# Altium PCB PCB.PcbDoc
Units mm, origin at the board's own origin, x right, y up, seen from the top; angles counter-clockwise.
Board outline 71.25 x 37 mm, 4 copper layers (Top Layer, Int1 (GND), Int2 (PWR), Bottom Layer), stack 1.586 mm thick; 95 components, 51 nets, 306 pads, 360 vias.
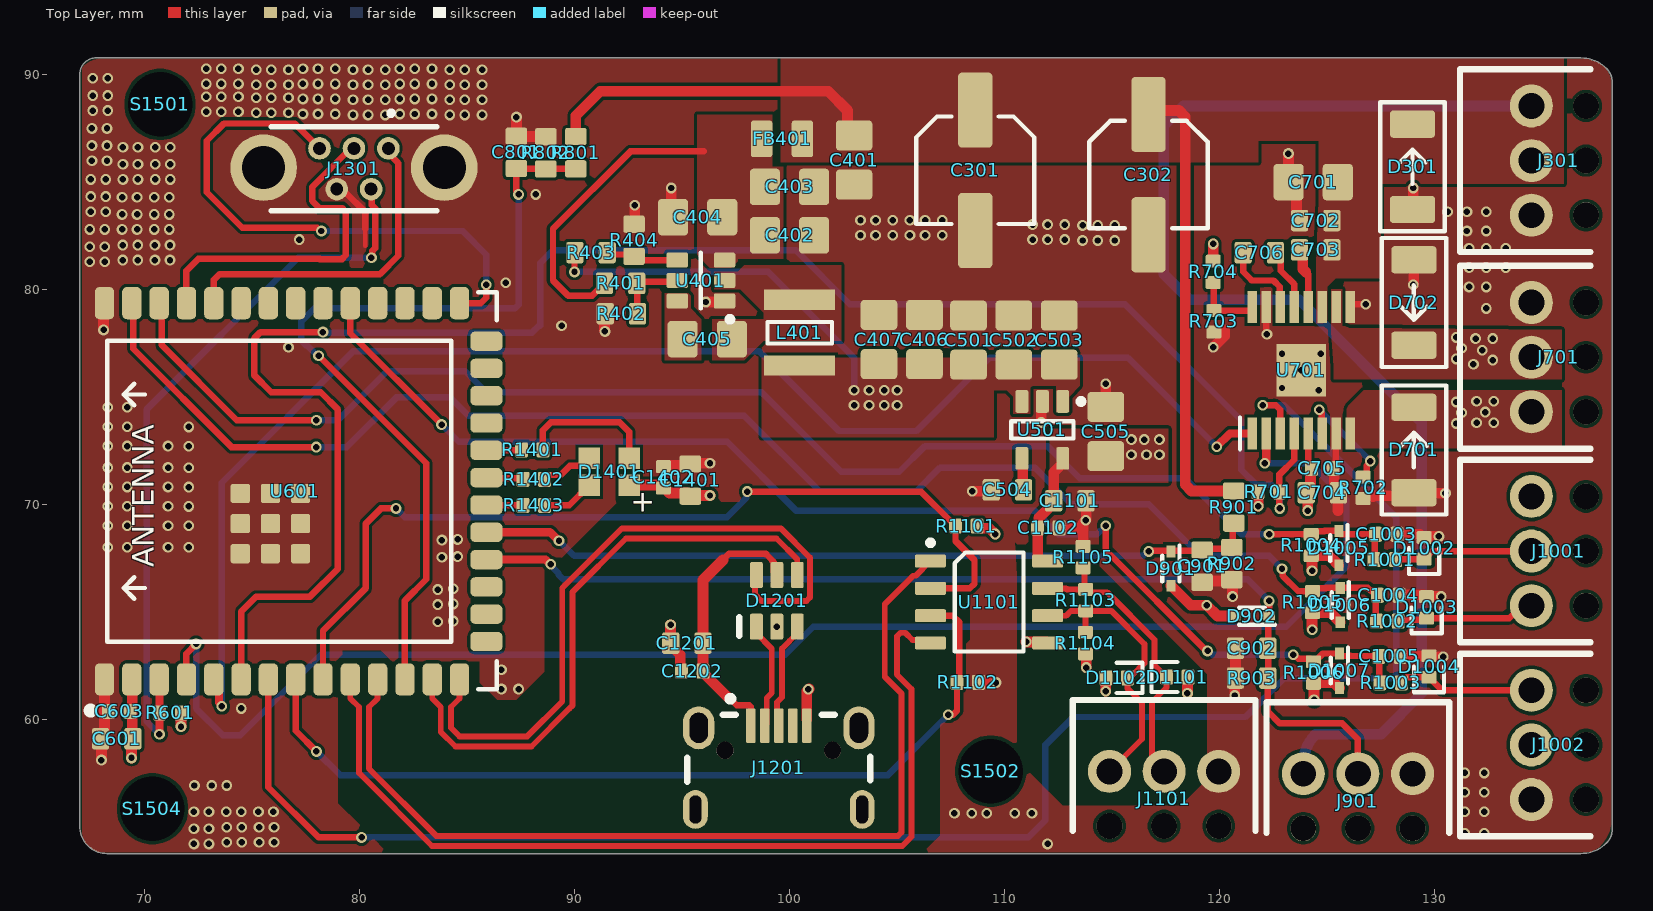
[diagram p0: Top Layer view]
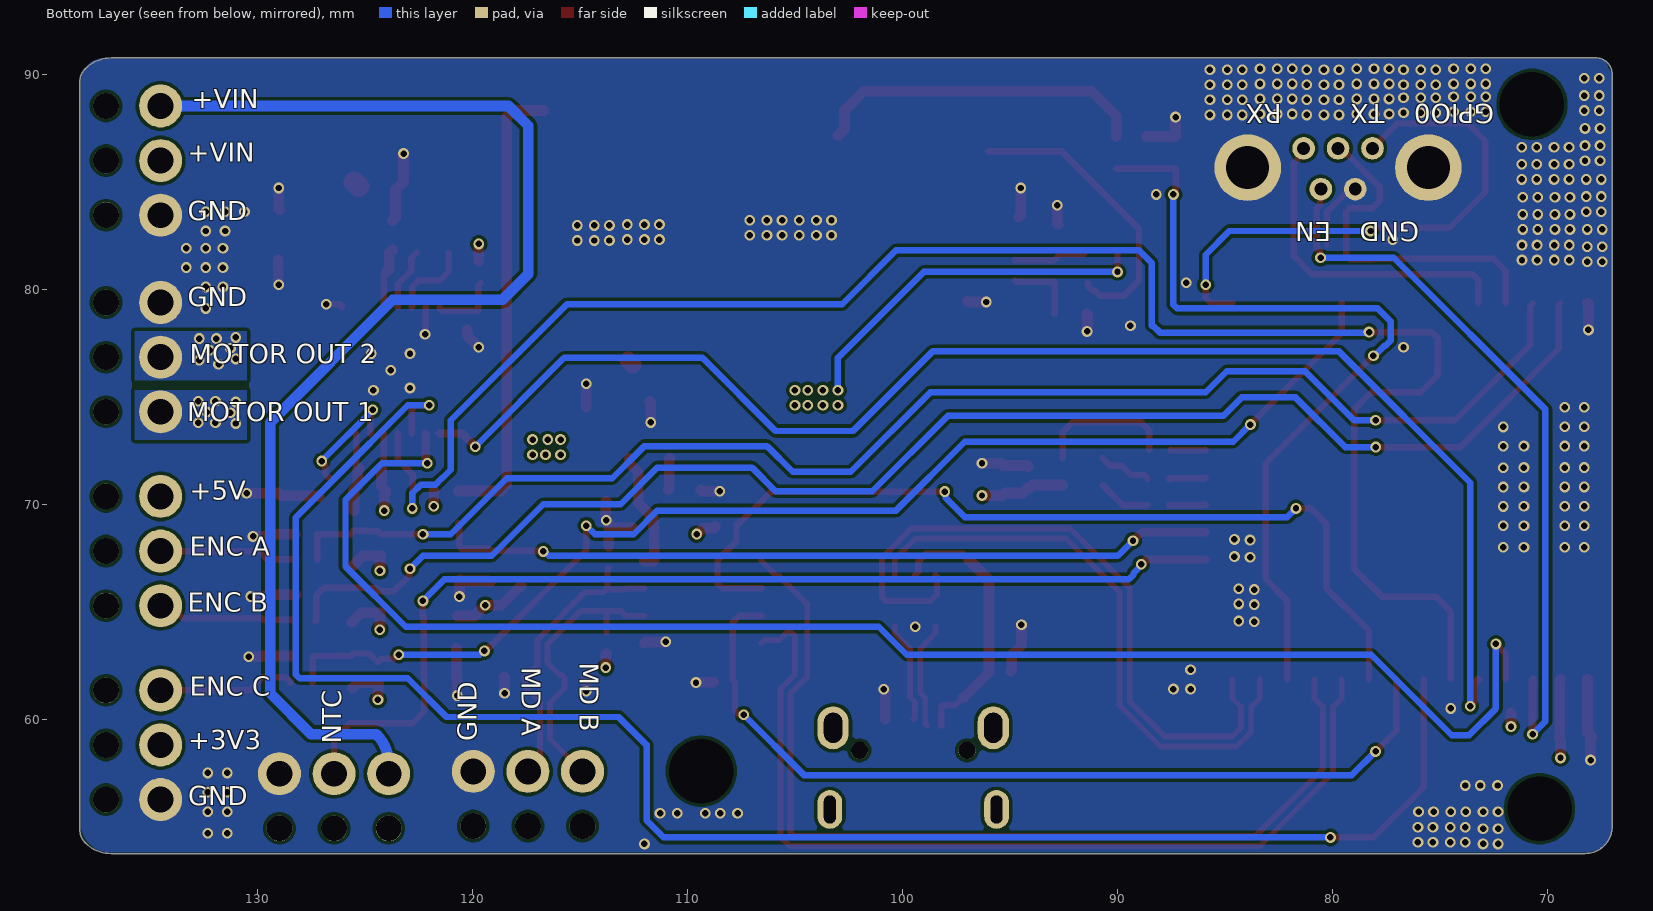
[diagram p1: Bottom Layer view, seen from below]
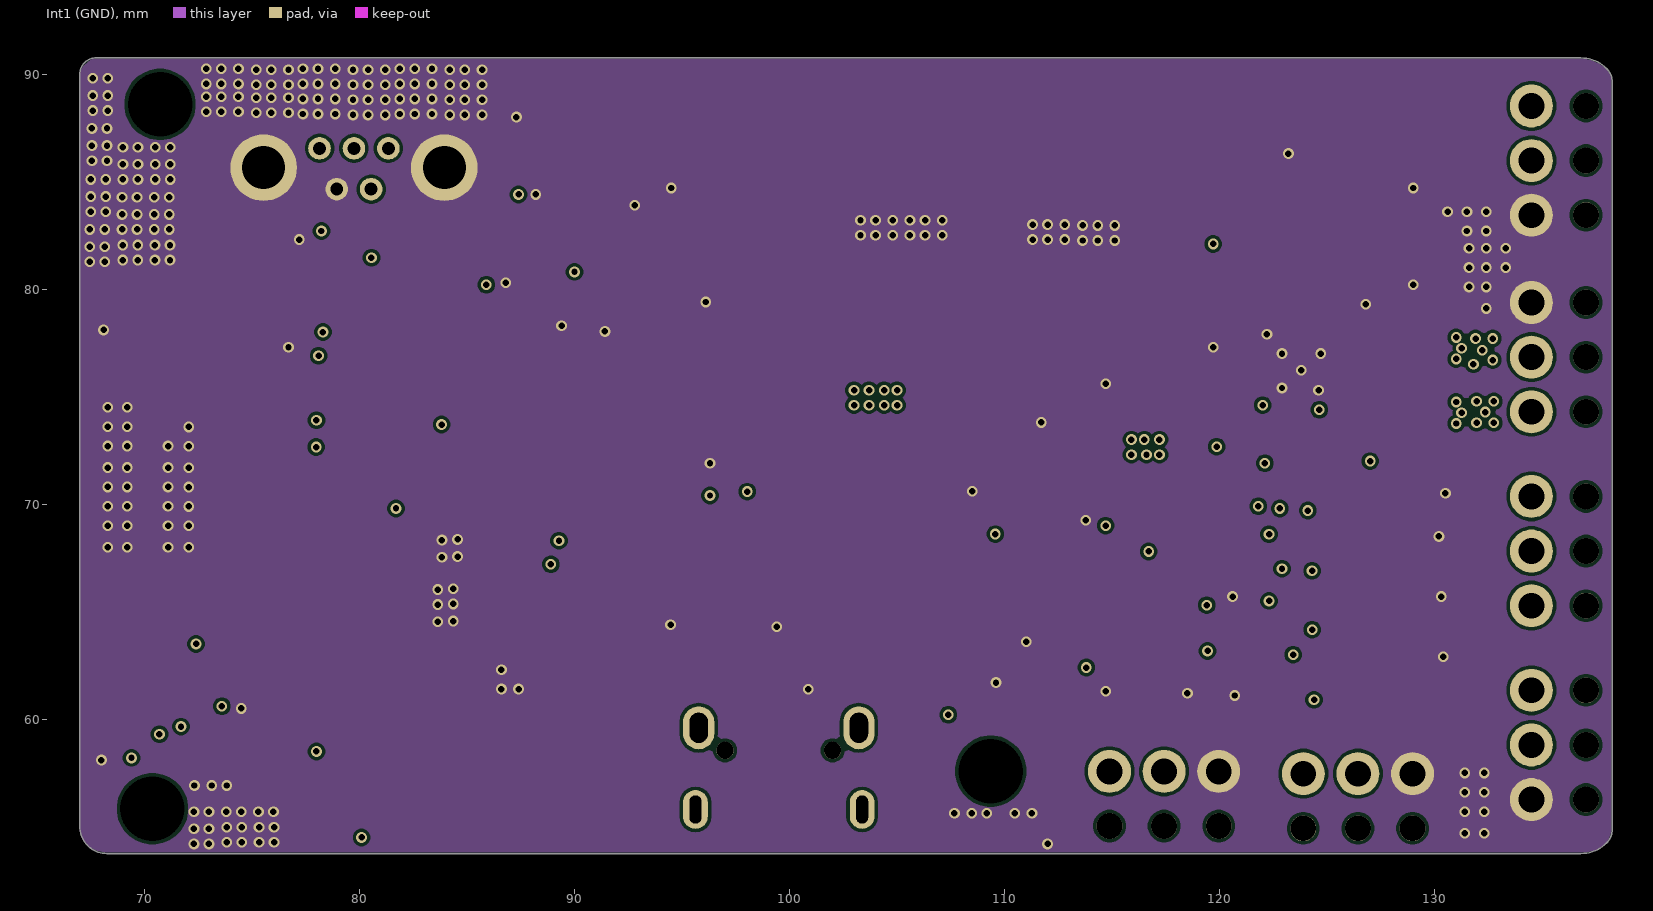
[diagram p2: Int1 (GND)]
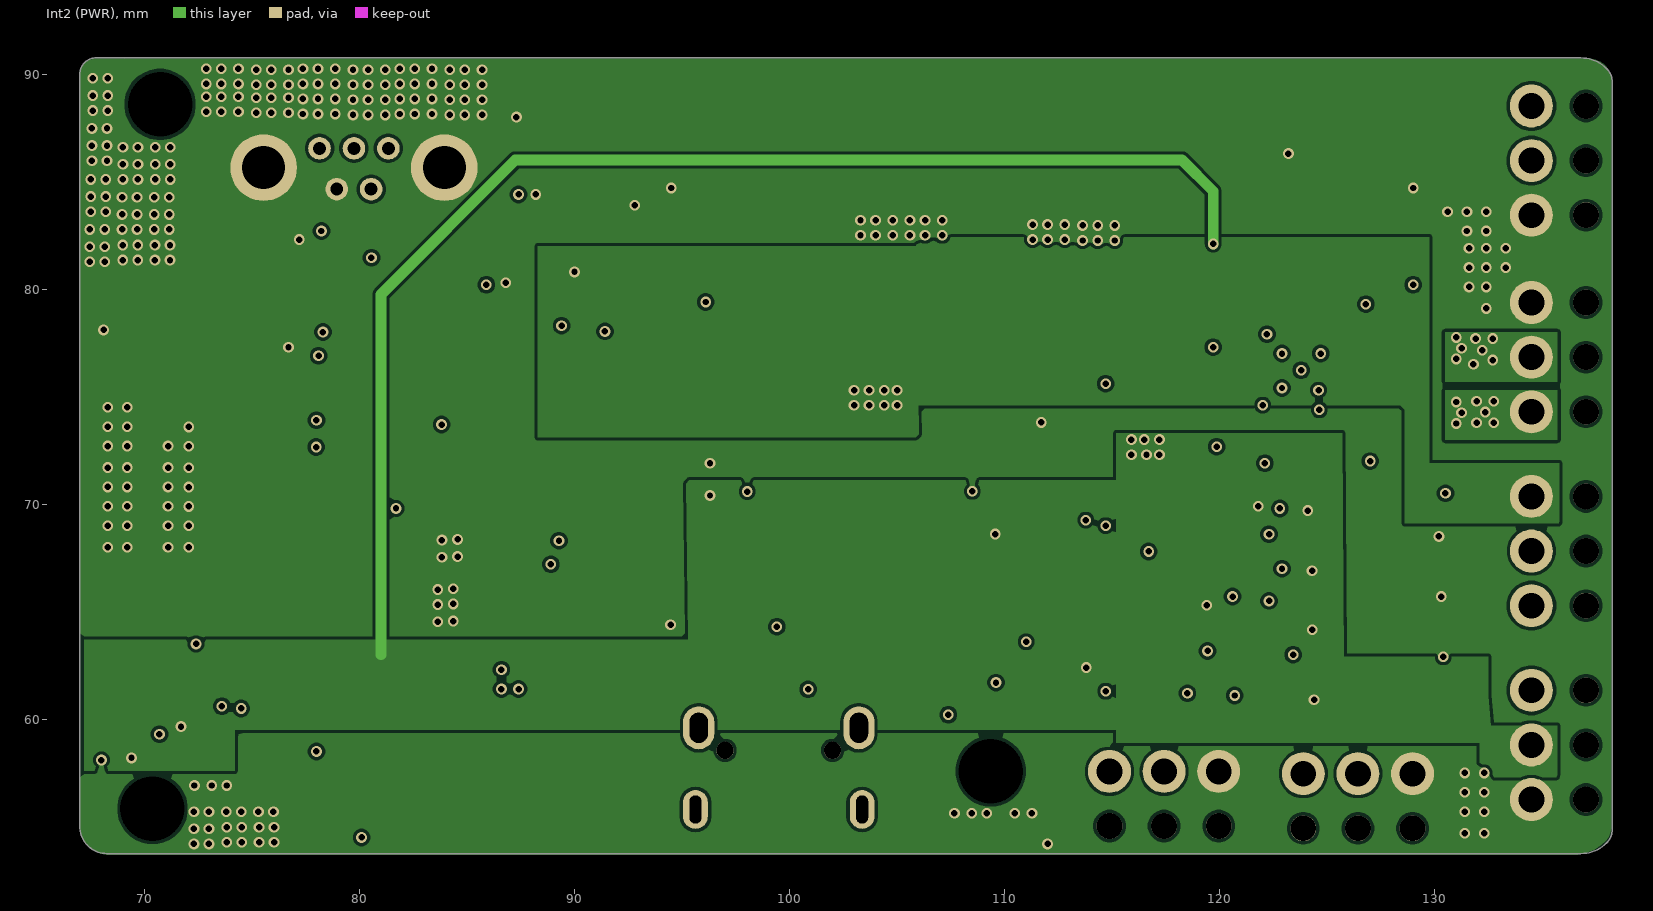
[diagram p3: Int2 (PWR)]
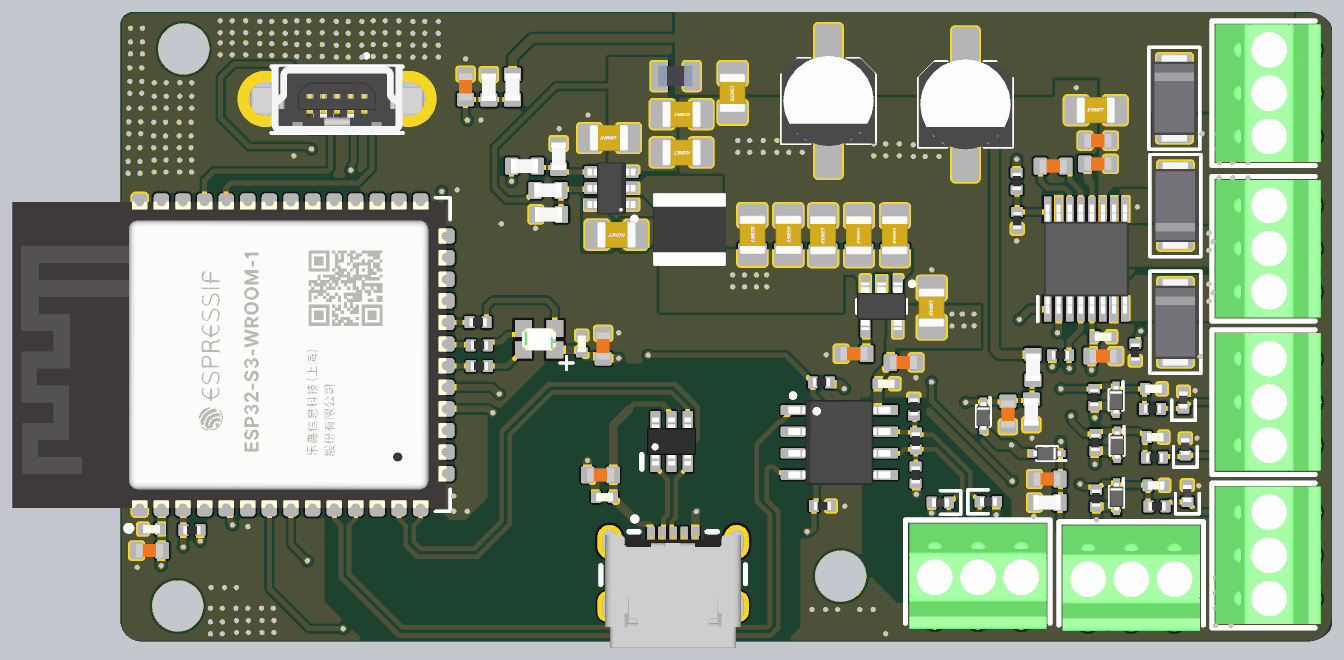
[diagram p4: 3D render of the assembled board from above, using the file's embedded part models]

## Layer stack, top to bottom
Top Solder: solder mask 0.0254, SM-001, Dk 4
Top Layer: signal copper 0.035
Dielectric 2: prepreg 0.2104, PP-017, Dk 4.6
Int1 (GND): signal copper 0.0152
Dielectric 3: core 1.065, Core-039, Dk 4.6
Int2 (PWR): signal copper 0.0152
Dielectric 4: prepreg 0.2104, PP-017, Dk 4.6
Bottom Layer: signal copper 0.035
Bottom Solder: solder mask 0.0254, SM-001, Dk 4

## Board outline
67,55 67,90 cw(c67.75,90) 67.75,90.75 136.793,90.75 cw(c136.793,89.043) 138,90.25 cw(c137.396,89.646) 138.25,89.646 138.25,54.854 cw(c137.396,54.854) 138,54.25 cw(c136.793,55.457) 136.793,53.75 68.25,53.75 cw(c68.25,55)

## Design rules (kind name [scope] priority, off if disabled: settings)
Clearance [All] p1: gap=0.15 ignorepadtopadclearanceinfootprint=FALSE
DiffPairsRouting [All] p1: maxlimit=0.254 minlimit=0.203 mostfreqgap=0.254 toplayer_maxgap=0.203 toplayer_prefgap=0.203 toplayer_minwidth=0.271 toplayer_maxwidth=0.271 toplayer_prefwidth=0.271 bottomlayer_maxgap=0.203 bottomlayer_prefgap=0.203 bottomlayer_minwidth=0.271 bottomlayer_maxwidth=0.271 bottomlayer_prefwidth=0.271 impedanceprofiledriven=TRUE impedanceprofileid={B2E4E460-0221-495D-B7F0-4A3CD8AB22ED} impedanceprofilevalue=90.000000 maxuncoupledlength=12.7
PolygonConnect [All] p1: connectstyle=Direct reliefconductorwidth=0.254 reliefentries=4 polygonreliefangle="90 Angle" airgapwidth=0.254
RoutingVias [All] p1: holewidth=0.711 width=1.27 viastyle="Through Hole" minholewidth=0.711 minwidth=1.27 maxholewidth=0.711 maxwidth=1.27
SolderMaskExpansion [All] p1: expansion=0.102 istentingtop=FALSE
SupplyNets "Schematic Supply Nets_5" [InNet('GND')] p1: voltage=0.000
SupplyNets "Schematic Supply Nets_4" [InNet('+5V_USB')] p2: voltage=0.000
SupplyNets "Schematic Supply Nets_3" [InNet('+VIN_FILT')] p3: voltage=0.000
SupplyNets "Schematic Supply Nets_2" [InNet('+VIN')] p4: voltage=0.000
SupplyNets "Schematic Supply Nets_1" [InNet('+3V3')] p5: voltage=0.000
SupplyNets "Schematic Supply Nets" [InNet('+5V')] p6: voltage=0.000
Width [All] p1: maxlimit=1 minlimit=0.2 preferedwidth=0.3
29 further rules are at their usual default settings.

## Classes and differential pairs
component class "User - User Led's": C1401 C1402 D1401 R1401 R1402 R1403
component class "Sensing - Voltage": C801 R801 R802
component class "Sensing - Temperature": C901 C902 D901 D902 J901 R901 R902 R903
component class "Sensing - Position": C1003 C1004 C1005 D1002 D1003 D1004 D1005 D1006 D1007 J1001 J1002 R1001 R1002 R1003 R1004 R1005 R1006
component class "Power Generation - LDO": C501 C502 C503 C504 C505 U501
component class "Power Generation - Connector": C301 C302 D301 J301
component class "Power Generation - Buck Converter": C401 C402 C403 C404 C405 C406 C407 FB401 L401 R401 R402 R403 R404 U401
component class "Motor - Motor Control": C701 C702 C703 C704 C705 C706 D701 D702 J701 R701 R702 R703 R704 U701
component class "Misc - Holes, Fiducials": S1501 S1502 S1504
component class "MCU - Power and I_O": C601 C603 R601 U601
component class "Interface - USB-C": C1201 C1202 D1201 J1201
component class "Interface - RS485": C1101 C1102 D1101 D1102 J1101 R1101 R1102 R1103 R1104 R1105 U1101
component class "Interface - Programmer": J1301
differential pair USB_D: +USB_D_P -USB_D_N
differential pair USB_FS_D: +USB_FS_D_P -USB_FS_D_N
differential pair RS485_D: +RS485_D_P -RS485_D_N
differential pair RS485_DP: +RS485_DP_P -RS485_DP_N

## Components (designator, comment, footprint, x,y, rotation, side; value= is the part's Value field where it differs from the comment)
C301 "22u 50V 20%" CAP-EL-NP-5MM 108.635,85.523 r270 top
C302 "22u 50V 20%" CAP-EL-NP-5MM 116.691,85.323 r270 top
C401 "2u2 100V X7R" CAP_0805 103,86 r90 top
C402 "2u2 100V X7R" CAP_0805 100,82.5 r180 top
C403 "2u2 100V X7R" CAP_0805 100,84.75 r180 top
C404 "100n 100V X7R" CAP_0805 95.727,83.345 r0 top
C405 "100n 100V X7R" CAP_0805 96.173,77.669 r180 top
C406 "22u 25V X7R" CAP_0805 106.275,77.654 r270 top
C407 "22u 25V X7R" CAP_0805 104.159,77.654 r270 top
C501 "2u2 16V X7R" CAP_0805 108.322,77.627 r90 top
C502 "2u2 16V X7R" CAP_0805 110.43,77.627 r90 top
C503 "100n 100V X7R" CAP_0805 112.546,77.627 r90 top
C504 "10n 16V X7R" CAP_0603 110.131,70.664 r0 top
C505 "10u 10V X7R" CAP_0805 114.706,73.377 r90 top
C601 "22u 6V3 X5R" CAP_0603 68.711,59.089 r0 top
C603 "100n 6V3 X7R" CAP_0402 68.834,60.358 r0 top
C701 "2u2 100V X7R" CAP_0805 124.351,84.977 r0 top
C702 "100n 100V X7R" CAP_0603 124.469,83.188 r0 top
C703 "100n 100V X7R" CAP_0603 124.469,81.822 r0 top
C704 "22u 6V3 X5R" CAP_0603 124.777,70.529 r180 top
C705 "100n 6V3 X7R" CAP_0402 124.777,71.663 r180 top
C706 "220n 25V X7R" CAP_0603 121.844,81.691 r0 top
C801 "100n X7R 100V" CAP_0603 87.298,86.358 r270 top
C901 "100n X7R 100V" CAP_0603 119.184,67.114 r90 top
C902 "100n X7R 100V" CAP_0603 121.487,63.298 r0 top
C1003 "1n 16V X7R" CAP_0402 127.747,68.6 r180 top
C1004 "1n 16V X7R" CAP_0402 127.847,65.762 r180 top
C1005 "1n 16V X7R" CAP_0402 127.897,62.922 r180 top
C1101 "2u2 16V X7R" CAP_0603 113.033,70.151 r180 top
C1102 "100n 16V X7R" CAP_0402 112.037,68.898 r180 top
C1201 "2u2 16V X7R" CAP_0603 95.226,63.538 r0 top
C1202 "100n 16V X7R" CAP_0402 95.468,62.23 r0 top
C1401 "2u2 16V X7R" CAP_0603 95.386,71.118 r270 top
C1402 "100n 16V X7R" CAP_0402 94.135,71.245 r270 top
D301 "SMBJ33CA" "DO-214AC-2 (SMA)" 128.971,85.685 r90 top
D701 "SMBJ33CA" "DO-214AC-2 (SMA)" 129.032,72.517 r90 top
D702 "SMBJ33CA" "DO-214AC-2 (SMA)" 129.032,79.375 r270 top
D901 "BAT41KFILM" SOD-523 117.738,67.001 r270 top
D902 "BAT41KFILM" SOD-523 121.501,64.788 r180 top
D1002 "CG0402MLC-05LG" D_0402 129.508,67.947 r270 top
D1003 "CG0402MLC-05LG" D_0402 129.622,65.197 r270 top
D1004 "CG0402MLC-05LG" D_0402 129.736,62.447 r270 top
D1005 "BAT41KFILM" SOD-523 125.544,67.954 r270 top
D1006 "BAT41KFILM" SOD-523 125.608,65.304 r270 top
D1007 "BAT41KFILM" SOD-523 125.572,62.254 r270 top
D1101 "CG0402MLC-3.3LG" D_0402 118.033,61.959 r180 top
D1102 "CG0402MLC-3.3LG" D_0402 115.213,61.917 r0 top
D1201 "USBLC6-2SC6" SOT-23-6 99.409,65.503 r0 top
D1401 "150080M153000" 150080M153000 91.618,71.51 r180 top
FB401 "120@ 120MHz" FB_0805 99.65,86.987 r180 top
J301 "1725669" 1725669 134.497,85.975 r90 top
J701 "1725669" 1725669 134.497,76.835 r90 top
J901 "1725669" 1725669 126.43,57.463 r0 top
J1001 "1725669" 1725669 134.497,67.818 r90 top
J1002 "1725669" 1725669 134.497,58.801 r90 top
J1101 "1725669" 1725669 117.417,57.57 r0 top
J1201 "629105150521" 629105150521 99.5,57.7 r0 top
J1301 "651005136421" 651005136421 79.73,85.861 r180 top
L401 "SMNR4020-*" SMNR4020 100.473,77.97 r270 top
R401 "140k 1%" RES_0603 92.142,80.267 r180 top
R402 "4k7 1%" RES_0603 92.181,78.853 r0 top
R403 "52k3 1%" RES_0603 90.769,81.695 r180 top
R404 "4k7 1%" RES_0603 92.769,82.269 r270 top
R601 "10k 1%" RES_0402 71.211,60.291 r0 top
R701 "10k 1%" RES_0402 122.279,70.574 r180 top
R702 "1k1 1%" RES_0402 126.675,70.754 r90 top
R703 "10k 1%" RES_0402 119.731,78.501 r90 top
R704 "10k 1%" RES_0402 119.7,80.8 r90 top
R801 "100k 1%" RES_0603 90.06,86.342 r90 top
R802 "22k 1%" RES_0603 88.664,86.335 r270 top
R901 "47k 1%" RES_0603 120.658,69.864 r90 top
R902 "10k 1%" RES_0603 120.568,67.237 r90 top
R903 "10k 1%" RES_0603 121.487,61.914 r0 top
R1001 "22R 1%" RES_0402 127.68,67.42 r0 top
R1002 "22R 1%" RES_0402 127.803,64.556 r0 top
R1003 "22R 1%" RES_0402 127.953,61.692 r0 top
R1004 "10k 1%" RES_0402 124.259,68.097 r270 top
R1005 "10k 1%" RES_0402 124.323,65.447 r270 top
R1006 "10k 1%" RES_0402 124.366,62.168 r270 top
R1101 "10k 1%" RES_0402 108.217,68.982 r0 top
R1102 "10k 1%" RES_0402 108.287,61.715 r180 top
R1103 "120R 1%" RES_0402 113.771,65.537 r270 top
R1104 "390R 1%" RES_0402 113.758,63.537 r270 top
R1105 "390R 1%" RES_0402 113.653,67.537 r270 top
R1401 "220R 1%" RES_0402 88.032,72.519 r0 top
R1402 "220R 1%" RES_0402 88.105,71.155 r0 top
R1403 "220R 1%" RES_0402 88.105,69.941 r0 top
S1501 "Screw M3" "Screw M3" 70.725,88.585 r90 top
S1502 "Screw M3" "Screw M3" 109.353,57.585 r90 top
S1504 "Screw M3" "Screw M3" 70.375,55.835 r90 top
U401 "AP62250WU-7" TSOT-26-6 95.876,80.396 r180 top
U501 "SPX3819M5-L-3-3/TR" SOT-23-5 111.754,73.449 r270 top
U601 "ESP32-S3-WROOM-1-N4" ESP32-S3-WROOM-1 77.025,70.596 r90 top
U701 "DRV8876PWPR" SOP65P640X120-16N 123.793,76.227 r90 top
U1101 "SP3494CN-L/TR" SOIC-8 109.276,65.447 r0 top

## Footprints (in the part's own frame and the unit in brackets; to place one, negate y for a bottom-side part, rotate by r counter-clockwise, add the part's x,y. Pads: shape width x height; smd on the part's side, far side on the other; paste and mask are expansions set on the pad)
150080M153000 [mm]
  rect 1x1 smd mask+0.15: 1(0.925,0.625) 2(0.925,-0.625) 3(-0.925,-0.625) 4(-0.925,0.625)
  body extent -1,-0.65 1,0.65, height 0.51
1725669 [mm]
  round 2 hole 1.2: 1(-2.54,0) 2(0,0) 3(2.54,0)
  round 1.2 hole 1.2 unplated: MH(-2.54,-2.54) MH(0,-2.54) MH(2.54,-2.54)
  silkscreen extent -4.25,-2.75 4.25,3.32, body extent -4.03,-3.1 4.05,3.1, height 8.51
629105150521 [mm]
  rrect25% 0.45x1.6 smd mask+0.12: 1(-1.3,2) 2(-0.65,2) 3(0,2) 4(0.65,2) 5(1.3,2)
  oval 1.15x1.8 hole 0.55 slot 1.3 at 90 deg: SH(-3.875,-1.9) SH(3.875,-1.9)
  oval 1.45x2 hole 0.85 slot 1.4 at 90 deg mask+0.15: SH(-3.725,1.9) SH(3.725,1.9)
  round 0.8 hole 0.8 unplated mask+0.3: SH(-2.5,0.85) SH(2.5,0.85)
  silkscreen extent -4.25,-0.6 4.25,3.37, body extent -4,-4.3 4,2.3, height 2.78
651005136421 [mm]
  round 1.05 hole 0.6: 1(-1.613,-0.685) 2(-0.813,1.215) 3(-0.013,-0.685) 4(0.787,1.215) 5(1.587,-0.685)
  round 3.1 hole 2: 6(-4.213,0.215) 6(4.187,0.215)
  silkscreen extent -3.86,-2.41 3.84,2.21, body extent -5.12,-1.69 5.09,2.21, height 9.4
CAP-EL-NP-5MM [mm]
  rrect25% 3.5x1.6 smd: 1(-2.8,0) 2(2.8,0)
  silkscreen extent -2.5,-2.75 2.5,2.75, body extent -2.65,-2.75 2.65,2.75, height 6.1
CAP_0402 [mm]
  rrect25% 0.6x0.7 smd: 1(-0.5,0) 2(0.5,0)
  body extent -0.5,-0.26 0.5,0.26, height 0.37
CAP_0603 [mm]
  rrect25% 0.8x1 smd: 1(-0.75,0) 2(0.75,0)
  body extent -0.8,-0.4 0.8,0.4, height 0.51
CAP_0805 [mm]
  rrect25% 1.4x1.7 smd: 1(-1.143,0) 2(1.143,0)
  body extent -1.15,-0.76 1.15,0.79, height 1.01
D_0402 [mm]
  rrect25% 0.6x0.7 smd: A(-0.5,0) K(0.5,0)
  silkscreen extent 0,-0.7 1.2,0.7, body extent -0.5,-0.25 0.5,0.25, height 0.51
"DO-214AC-2 (SMA)" [mm]
  rrect25% 1.27x2.1 smd: A(-1.985,0) K(1.985,0)
  silkscreen extent -3,-1.5 3,1.5, body extent -2.6,-1.3 2.6,1.3, height 2.42
ESP32-S3-WROOM-1 [mm]
  rrect50% 1.5x0.9 smd: 1(-8.75,8.88) 2(-8.75,7.61) 3(-8.75,6.34) 4(-8.75,5.07) 5(-8.75,3.8) 6(-8.75,2.53) 7(-8.75,1.26) 8(-8.75,-0.01) 9(-8.75,-1.28) 10(-8.75,-2.55) 11(-8.75,-3.82) 12(-8.75,-5.09) 13(-8.75,-6.36) 14(-8.75,-7.63) 27(8.75,-7.63) 28(8.75,-6.36) 29(8.75,-5.09) 30(8.75,-3.82) 31(8.75,-2.55) 32(8.75,-1.28) 33(8.75,-0.01) 34(8.75,1.26) 35(8.75,2.53) 36(8.75,3.8) 37(8.75,5.07) 38(8.75,6.34) 39(8.75,7.61) 40(8.75,8.88)
  rrect50% 0.9x1.5 smd: 15(-6.985,-8.88) 16(-5.715,-8.88) 17(-4.445,-8.88) 18(-3.175,-8.88) 19(-1.905,-8.88) 20(-0.635,-8.88) 21(0.635,-8.88) 22(1.905,-8.88) 23(3.175,-8.88) 24(4.445,-8.88) 25(5.715,-8.88) 26(6.985,-8.88)
  rrect25% 0.9x0.9 smd: EP(-2.9,-0.235) EP(-2.9,1.165) EP(-2.9,2.565) EP(-1.5,2.565) EP(-1.5,-0.235) EP(-1.5,1.165) EP(-0.1,2.565) EP(-0.1,1.165) EP(-0.1,-0.235)
  silkscreen extent -10.35,-9.36 9.25,9.67, body extent -9.01,-9.14 9.01,16.37, height 3.18
FB_0805 [mm]
  rrect25% 1x1.7 smd: 1(-0.95,0) 2(0.95,0)
  body extent -1,-0.63 1,0.63, height 0.86
RES_0402 [mm]
  rrect25% 0.6x0.7 smd: 1(-0.5,0) 2(0.5,0)
  body extent -0.5,-0.25 0.5,0.25, height 0.3
RES_0603 [mm]
  rrect25% 0.8x1 smd: 1(-0.75,0) 2(0.75,0)
  body extent -0.8,-0.43 0.8,0.43, height 0.52
"Screw M3" [mm]
  round 0 hole 3: x(0,0)
SMNR4020 [mm] "Inductor SMNR4020"
  rect 0.95x3.3 smd: 1(-1.525,0) 2(1.525,0)
  silkscreen extent -0.5,-1.5 0.5,1.5, body extent -2.15,-2.15 2.15,2.15, height 2.2
SOD-523 [mm]
  rect 0.55x0.42 smd: A(-0.8,0) K(0.8,0)
  silkscreen extent -1.07,-0.4 0.6,0.4, body extent -0.8,-0.4 0.8,0.4, height 0.7
SOIC-8 [mm] "SOIC, 8-Leads, Body 4.91x3.90mm, Pitch 1.27mm, IPC Medium Density"
  rrect25% 1.45x0.6 smd: 1(-2.725,1.905) 2(-2.725,0.635) 3(-2.725,-0.635) 4(-2.725,-1.905) 5(2.725,-1.905) 6(2.725,-0.635) 7(2.725,0.635) 8(2.725,1.905)
  silkscreen extent -2.85,-2.3 1.6,2.88, body extent -3,-2.5 3,2.5, height 1.75
SOP65P640X120-16N [mm]
  rect 1.475x0.45 smd: 1(-2.938,2.275) 2(-2.938,1.625) 3(-2.938,0.975) 4(-2.938,0.325) 5(-2.938,-0.325) 6(-2.938,-0.975) 7(-2.938,-1.625) 8(-2.938,-2.275) 9(2.938,-2.275) 10(2.938,-1.625) 11(2.938,-0.975) 12(2.938,-0.325) 13(2.938,0.325) 14(2.938,0.975) 15(2.938,1.625) 16(2.938,2.275)
  rect 2.46x2.31 smd: 17(0,0)
  silkscreen extent -3.67,2.85 -2.2,2.85, body extent -3.2,-2.5 3.2,2.5, height 1.13
SOT-23-5 [mm] "SOT23, 5-Leads, Body 2,90x2,80mm, Pitch 0,95mm, IPC Medium Density"
  rrect25% 1.05x0.6 smd: 1(-1.325,0.95) 2(-1.325,0) 3(-1.325,-0.95) 4(1.325,-0.95) 5(1.325,0.95)
  silkscreen extent -1.45,-1.45 0.4,1.93, body extent -1.4,-1.45 1.4,1.45, height 1.45
SOT-23-6 [mm]
  rrect25% 0.6x1.2 smd: 1(-0.95,-1.2) 2(0,-1.2) 3(0.95,-1.2) 4(0.95,1.2) 5(0,1.2) 6(-0.95,1.2)
  silkscreen extent -1.75,-1.63 -1.75,-0.76, body extent -1.45,-1.4 1.45,1.4, height 1.45
TSOT-26-6 [mm] "TSOP, 6-Leads, Body 2.90x1.60mm, Pitch 0.95mm, IPC Medium Density"
  rrect25% 1x0.7 smd: 1(-1.1,0.95) 2(-1.1,0) 3(-1.1,-0.95) 4(1.1,-0.95) 5(1.1,0) 6(1.1,0.95)
  silkscreen extent -1.48,-1.3 0,1.92, body extent -1.4,-1.55 1.4,1.55, height 1
